# Altium PCB 滑板车模块 - 拼板.PcbDoc (part 2 of 8) (continued)
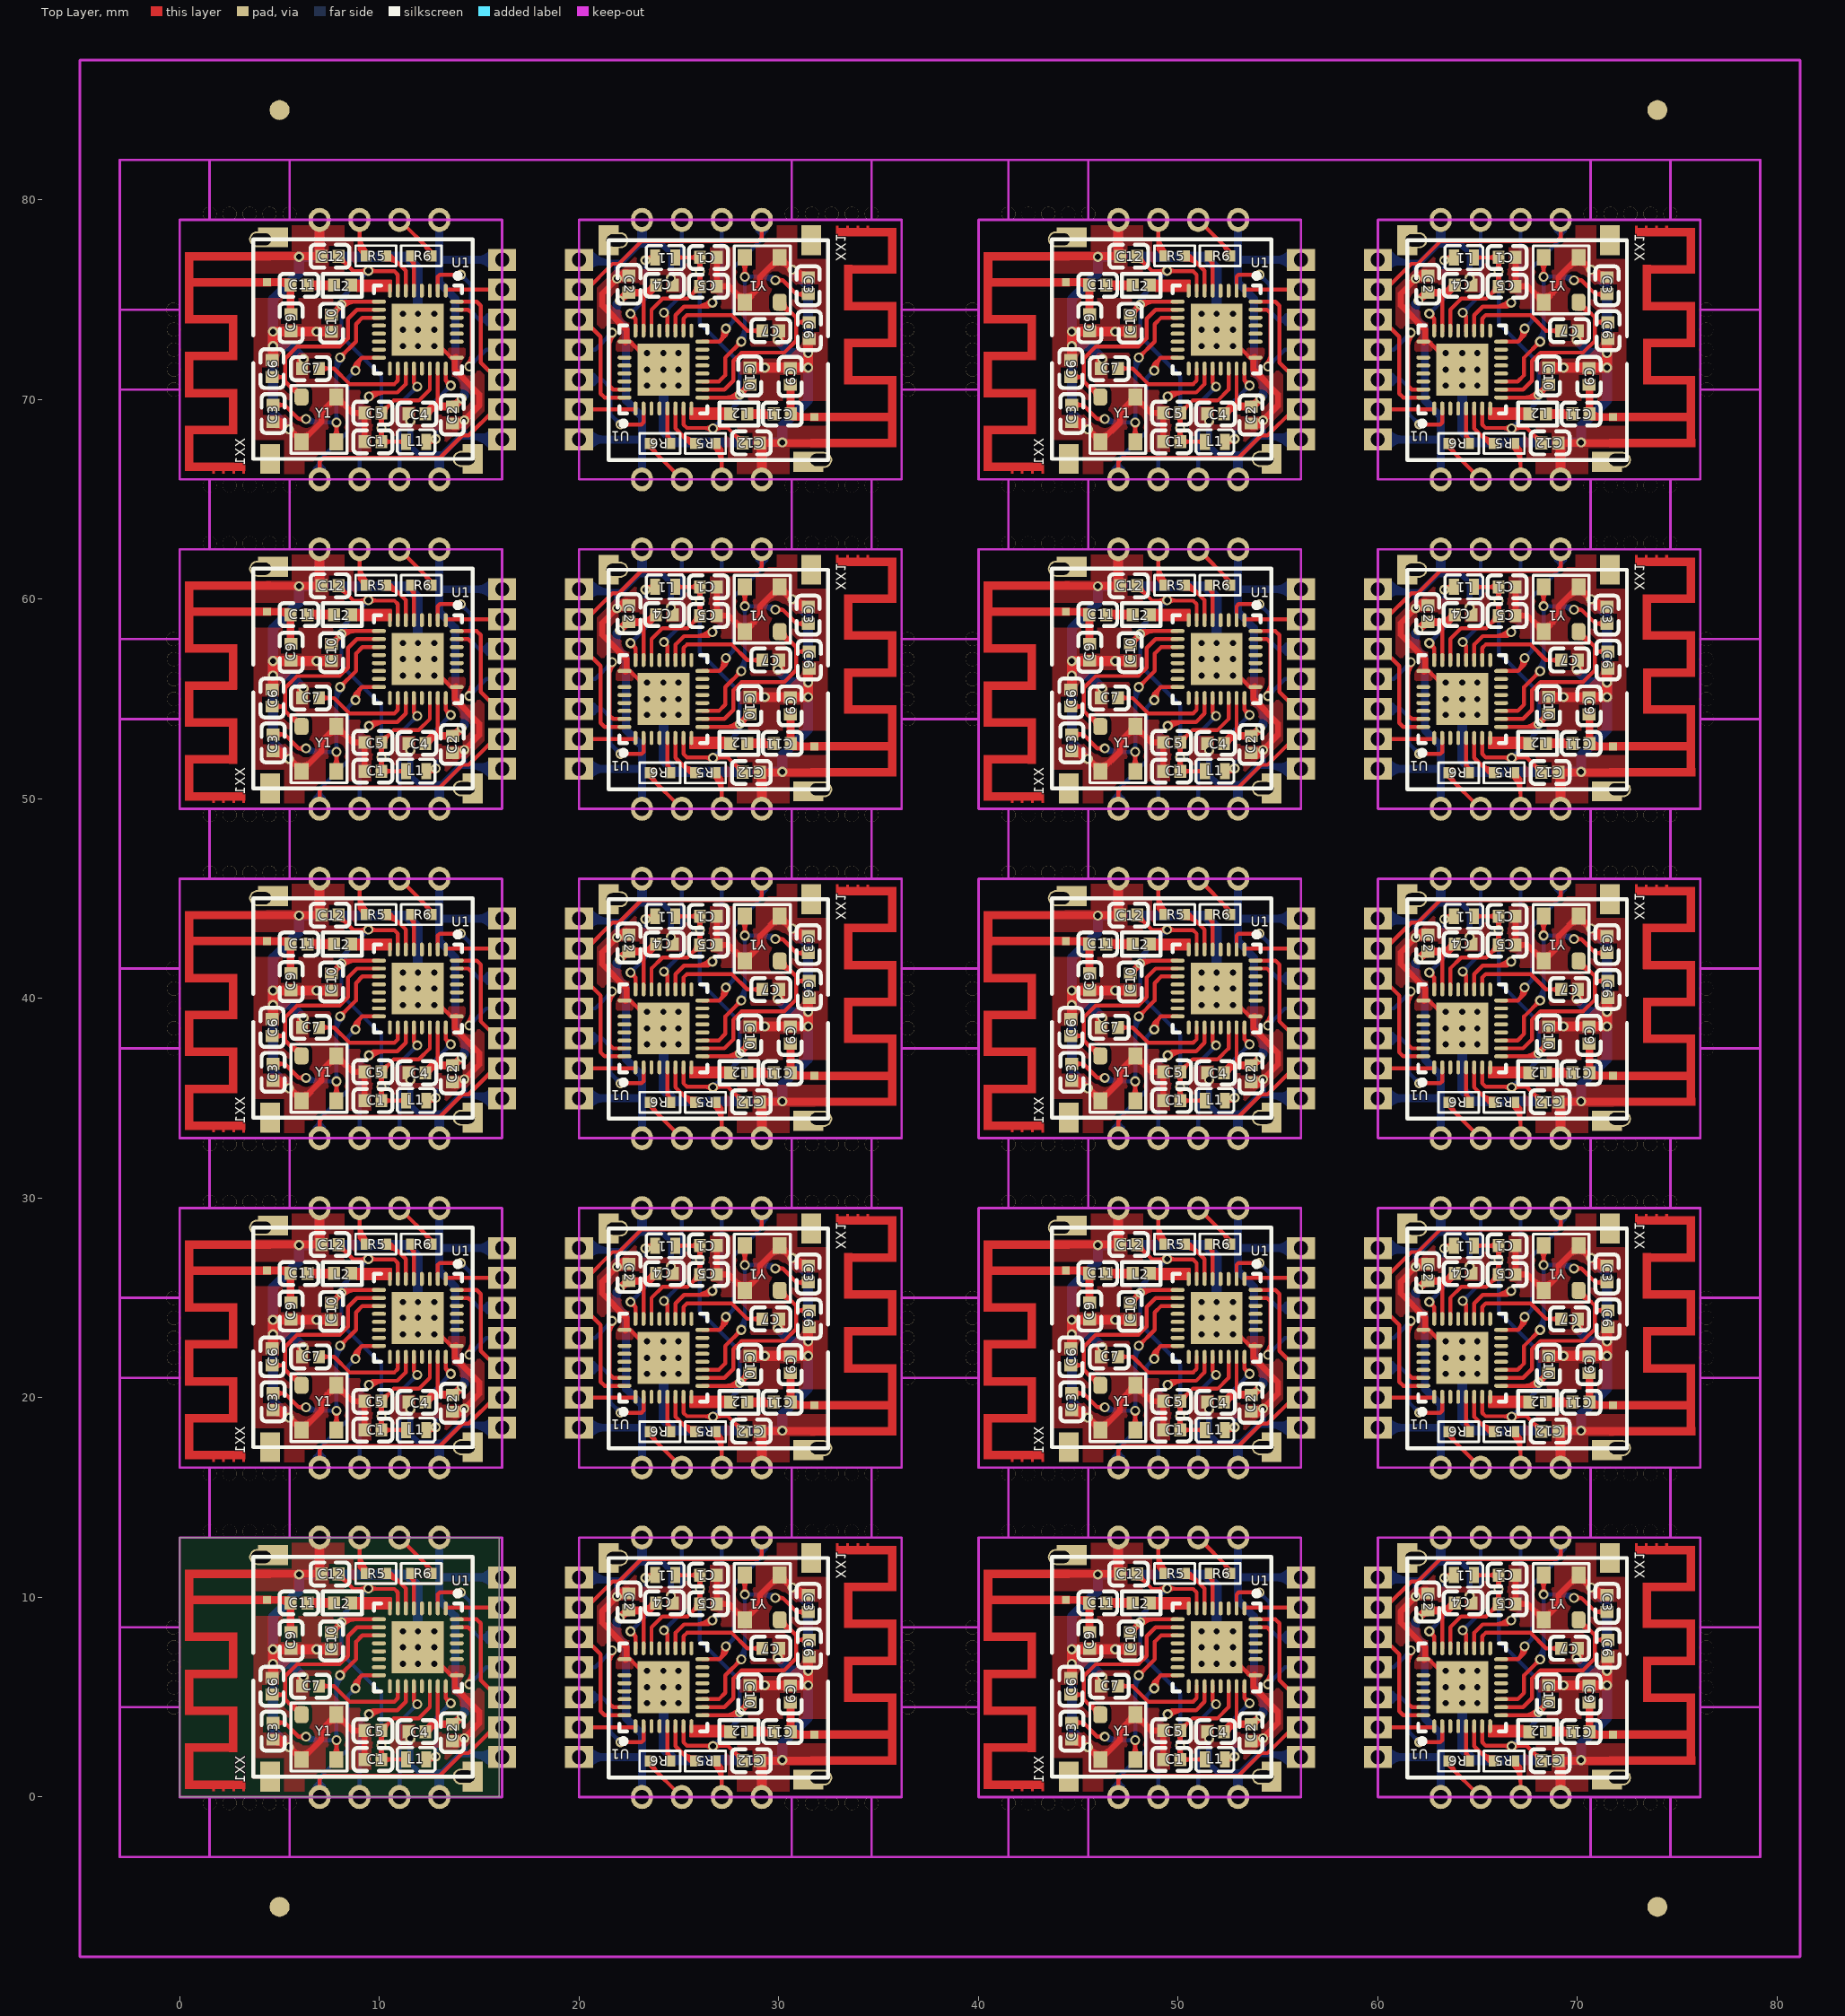
[diagram p0: Top Layer view]
## Nets (pads, with @x,y where several pads share a name; then routed paths per layer and width w, separated by ;. In a path a pad name is that pad's centre, name@x,y a point inside that pad or via, vN(x,y) a via of type N, cw(c..) or ccw(c..) an arc to the next point about the centre after c; other vN are vias at no path point) (continued)
cw(c45.598,34.95) Y1.2@45.9,34.95 ; Y1.2@45.812,51.663 cw(c45.598,51.45) Y1.2@45.9,51.45 ; Y1.2@45.812,68.163 cw(c45.598,67.95) Y1.2@45.9,67.95 ; Y1.2@46.3,1.95 cw(c46.602,1.95) Y1.2@46.388,2.163 ; Y1.2@46.3,18.45 cw(c46.602,18.45) Y1.2@46.388,18.663 ; Y1.2@46.3,34.95 cw(c46.602,34.95) Y1.2@46.388,35.163 ; Y1.2@46.3,51.45 cw(c46.602,51.45) Y1.2@46.388,51.663 ; Y1.2@46.3,67.95 cw(c46.602,67.95) Y1.2@46.388,68.163 ; 47.381,3.656 cw(c47.85,3.186) 47.85,3.85 cw(c47.85,3.186) 48.319,3.656 ; 47.381,20.156 cw(c47.85,19.686) 47.85,20.35 cw(c47.85,19.686) 48.319,20.156 ; 47.381,36.656 cw(c47.85,36.186) 47.85,36.85 cw(c47.85,36.186) 48.319,36.656 ; 47.381,53.156 cw(c47.85,52.686) 47.85,53.35 cw(c47.85,52.686) 48.319,53.156 ; 47.381,69.656 cw(c47.85,69.186) 47.85,69.85 cw(c47.85,69.186) 48.319,69.656 ; Y1.4@47.562,3.837 ccw(c47.348,4.05) Y1.4@47.65,4.05 ; Y1.4@47.562,20.337 ccw(c47.348,20.55) Y1.4@47.65,20.55 ; Y1.4@47.562,36.837 ccw(c47.348,37.05) Y1.4@47.65,37.05 ; Y1.4@47.562,53.337 ccw(c47.348,53.55) Y1.4@47.65,53.55 ; Y1.4@47.562,69.837 ccw(c47.348,70.05) Y1.4@47.65,70.05 ; Y1.4@48.05,4.05 ccw(c48.352,4.05) Y1.4@48.138,3.837 ; Y1.4@48.05,20.55 ccw(c48.352,20.55) Y1.4@48.138,20.337 ; Y1.4@48.05,37.05 ccw(c48.352,37.05) Y1.4@48.138,36.837 ; Y1.4@48.05,53.55 ccw(c48.352,53.55) Y1.4@48.138,53.337 ; Y1.4@48.05,70.05 ccw(c48.352,70.05) Y1.4@48.138,69.837 ; C1.1@49.144,2.016 ccw(c48.888,2.272) 49.25,2.272 ccw(c49.612,2.272) C1.1@49.356,2.016 ; C5.1@49.144,3.194 cw(c48.888,2.938) 49.25,2.938 cw(c49.612,2.938) C5.1@49.356,3.194 ; C5.1@49.144,3.219 ccw(c48.888,2.963) 48.888,3.325 ccw(c48.888,3.687) C5.1@49.144,3.431 ; C1.1@49.144,18.516 ccw(c48.888,18.772) 49.25,18.772 ccw(c49.612,18.772) C1.1@49.356,18.516 ; C5.1@49.144,19.694 cw(c48.888,19.438) 49.25,19.438 cw(c49.612,19.438) C5.1@49.356,19.694 ; C5.1@49.144,19.719 ccw(c48.888,19.463) 48.888,19.825 ccw(c48.888,20.187) C5.1@49.144,19.931 ; C1.1@49.144,35.016 ccw(c48.888,35.272) 49.25,35.272 ccw(c49.612,35.272) C1.1@49.356,35.016 ; C5.1@49.144,36.194 cw(c48.888,35.938) 49.25,35.938 cw(c49.612,35.938) C5.1@49.356,36.194 ; C5.1@49.144,36.219 ccw(c48.888,35.963) 48.888,36.325 ccw(c48.888,36.687) C5.1@49.144,36.431 ; C1.1@49.144,51.516 ccw(c48.888,51.772) 49.25,51.772 ccw(c49.612,51.772) C1.1@49.356,51.516 ; C5.1@49.144,52.694 cw(c48.888,52.438) 49.25,52.438 cw(c49.612,52.438) C5.1@49.356,52.694 ; C5.1@49.144,52.719 ccw(c48.888,52.463) 48.888,52.825 ccw(c48.888,53.187) C5.1@49.144,52.931 ; C1.1@49.144,68.016 ccw(c48.888,68.272) 49.25,68.272 ccw(c49.612,68.272) C1.1@49.356,68.016 ; C5.1@49.144,69.194 cw(c48.888,68.938) 49.25,68.938 cw(c49.612,68.938) C5.1@49.356,69.194 ; C5.1@49.144,69.219 ccw(c48.888,68.963) 48.888,69.325 ccw(c48.888,69.687) C5.1@49.144,69.431 ; v1@52.075,7.35 v1(52.75,6.675) ; v1@52.075,23.85 v1(52.75,23.175) ; v1@52.075,40.35 v1(52.75,39.675) ; v1@52.075,56.85 v1(52.75,56.175) ; v1@52.075,73.35 v1(52.75,72.675) ; C2.2@53.583,2.681 ccw(c53.781,2.937) 54.009,2.709 ; C2.2@53.583,19.181 ccw(c53.781,19.437) 54.009,19.209 ; C2.2@53.583,35.681 ccw(c53.781,35.937) 54.009,35.709 ; C2.2@53.583,52.181 ccw(c53.781,52.437) 54.009,52.209 ; C2.2@53.583,68.681 ccw(c53.781,68.937) 54.009,68.709 ; C2.2@53.767,2.919 ccw(c53.991,3.21) v1(54.251,2.95) ; C2.2@53.767,19.419 ccw(c53.991,19.71) v1(54.251,19.45) ; C2.2@53.767,35.919 ccw(c53.991,36.21) v1(54.251,35.95) ; C2.2@53.767,52.419 ccw(c53.991,52.71) v1(54.251,52.45) ; C2.2@53.767,68.919 ccw(c53.991,69.21) v1(54.251,68.95) ; 53.775,5.979 cw(c53.996,5.979) U1.25@53.84,6.135 ; U1.25@53.775,6.1 53.775,5.5 55,4.275 55,3.699 v1(54.251,2.95) ; 53.775,22.479 cw(c53.996,22.479) U1.25@53.84,22.635 ; U1.25@53.775,22.6 53.775,22 55,20.775 55,20.199 v1(54.251,19.45) ; 53.775,38.979 cw(c53.996,38.979) U1.25@53.84,39.135 ; U1.25@53.775,39.1 53.775,38.5 55,37.275 55,36.699 v1(54.251,35.95) ; 53.775,55.479 cw(c53.996,55.479) U1.25@53.84,55.635 ; U1.25@53.775,55.6 53.775,55 55,53.775 55,53.199 v1(54.251,52.45) ; 53.775,71.979 cw(c53.996,71.979) U1.25@53.84,72.135 ; U1.25@53.775,72.1 53.775,71.5 55,70.275 55,69.699 v1(54.251,68.95) 54.101,68.8 C2.2@53.65,68.8 ccw(c53.65,69.546) v1@54.18,69.021 ; C2.2@53.781,2.694 cw(c54.037,2.438) 54.037,2.8 cw(c54.037,3.162) C2.2@53.781,2.906 ; C2.2@53.781,19.194 cw(c54.037,18.938) 54.037,19.3 cw(c54.037,19.662) C2.2@53.781,19.406 ; C2.2@53.781,35.694 cw(c54.037,35.438) 54.037,35.8 cw(c54.037,36.162) C2.2@53.781,35.906 ; C2.2@53.781,52.194 cw(c54.037,51.938) 54.037,52.3 cw(c54.037,52.662) C2.2@53.781,52.406 ; C2.2@53.781,68.694 cw(c54.037,68.438) 54.037,68.8 cw(c54.037,69.162) C2.2@53.781,68.906 ; C2.2@53.831,2.745 ccw(c53.69,3.274) v1@54.164,3 ; C2.2@53.831,19.245 ccw(c53.69,19.774) v1@54.164,19.5 ; C2.2@53.831,35.745 ccw(c53.69,36.274) v1@54.164,36 ; C2.2@53.831,52.245 ccw(c53.69,52.774) v1@54.164,52.5 ; C2.2@53.831,68.745 ccw(c53.69,69.274) v1@54.164,69 ; C2.2@53.887,2.76 ccw(c53.779,3.163) v1@54.16,2.991 ; C2.2@53.887,19.26 ccw(c53.779,19.663) v1@54.16,19.491 ; C2.2@53.887,35.76 ccw(c53.779,36.163) v1@54.16,35.991 ; C2.2@53.887,52.26 ccw(c53.779,52.663) v1@54.16,52.491 ; C2.2@53.887,68.76 ccw(c53.779,69.163) v1@54.16,68.991 ; C2.2@53.901,2.646 ccw(c53.629,3.117) v1@54.154,2.976 ; C2.2@53.901,19.146 ccw(c53.629,19.617) v1@54.154,19.476 ; C2.2@53.901,35.646 ccw(c53.629,36.117) v1@54.154,35.976 ; C2.2@53.901,52.146 ccw(c53.629,52.617) v1@54.154,52.476 ; C2.2@53.901,68.646 ccw(c53.629,69.117) v1@54.154,68.976 ; C2.2@53.965,2.683 ccw(c53.775,3.012) v1@54.152,2.963 ; C2.2@53.965,19.183 ccw(c53.775,19.512) v1@54.152,19.463 ; C2.2@53.965,35.683 ccw(c53.775,36.012) v1@54.152,35.963 ; C2.2@53.965,52.183 ccw(c53.775,52.512) v1@54.152,52.463 ; C2.2@53.965,68.683 ccw(c53.775,69.012) v1@54.152,68.963 ; v1@54.18,3.021 cw(c53.65,3.546) C2.2@53.65,2.8 54.101,2.8 v1(54.251,2.95) ; v1@54.18,19.521 cw(c53.65,20.046) C2.2@53.65,19.3 54.101,19.3 v1(54.251,19.45) ; v1@54.18,36.021 cw(c53.65,36.546) C2.2@53.65,35.8 54.101,35.8 v1(54.251,35.95) ; v1@54.18,52.521 cw(c53.65,53.046) C2.2@53.65,52.3 54.101,52.3 v1(54.251,52.45) ; v1@61.97,9.979 cw(c62.5,9.454) C2.2@62.5,10.2 62.049,10.2 v1(61.899,10.05) ; v1@61.97,26.479 cw(c62.5,25.954) C2.2@62.5,26.7 62.049,26.7 v1(61.899,26.55) ; v1@61.97,42.979 cw(c62.5,42.454) C2.2@62.5,43.2 62.049,43.2 v1(61.899,43.05) ; v1@61.97,59.479 cw(c62.5,58.954) C2.2@62.5,59.7 62.049,59.7 v1(61.899,59.55) ; v1@61.97,75.979 cw(c62.5,75.454) C2.2@62.5,76.2 62.049,76.2 v1(61.899,76.05) ; v1@61.986,10 cw(c62.46,9.726) C2.2@62.319,10.255 ; v1@61.986,26.5 cw(c62.46,26.226) C2.2@62.319,26.755 ; v1@61.986,43 cw(c62.46,42.726) C2.2@62.319,43.255 ; v1@61.986,59.5 cw(c62.46,59.226) C2.2@62.319,59.755 ; v1@61.986,76 cw(c62.46,75.726) C2.2@62.319,76.255 ; v1@61.99,10.009 cw(c62.371,9.837) C2.2@62.263,10.24 ; v1@61.99,26.509 cw(c62.371,26.337) C2.2@62.263,26.74 ; v1@61.99,43.009 cw(c62.371,42.837) C2.2@62.263,43.24 ; v1@61.99,59.509 cw(c62.371,59.337) C2.2@62.263,59.74 ; v1@61.99,76.009 cw(c62.371,75.837) C2.2@62.263,76.24 ; v1@61.996,10.024 cw(c62.521,9.883) C2.2@62.249,10.354 ; v1@61.996,26.524 cw(c62.521,26.383) C2.2@62.249,26.854 ; v1@61.996,43.024 cw(c62.521,42.883) C2.2@62.249,43.354 ; v1@61.996,59.524 cw(c62.521,59.383) C2.2@62.249,59.854 ; v1@61.996,76.024 cw(c62.521,75.883) C2.2@62.249,76.354 ; v1@61.998,10.037 cw(c62.375,9.988) C2.2@62.185,10.317 ; v1@61.998,26.537 cw(c62.375,26.488) C2.2@62.185,26.817 ; v1@61.998,43.037 cw(c62.375,42.988) C2.2@62.185,43.317 ; v1@61.998,59.537 cw(c62.375,59.488) C2.2@62.185,59.817 ; v1@61.998,76.037 cw(c62.375,75.988) C2.2@62.185,76.317 ; 62.141,10.291 cw(c62.369,10.063) C2.2@62.567,10.319 ; 62.141,26.791 cw(c62.369,26.563) C2.2@62.567,26.819 ; 62.141,43.291 cw(c62.369,43.063) C2.2@62.567,43.319 ; 62.141,59.791 cw(c62.369,59.563) C2.2@62.567,59.819 ; 62.141,76.291 cw(c62.369,76.063) C2.2@62.567,76.319 ; U1.25@62.31,6.865 ccw(c62.154,7.021) 62.375,7.021 ; U1.25@62.31,23.365 ccw(c62.154,23.521) 62.375,23.521 ; U1.25@62.31,39.865 ccw(c62.154,40.021) 62.375,40.021 ; U1.25@62.31,56.365 ccw(c62.154,56.521) 62.375,56.521 ; U1.25@62.31,72.865 ccw(c62.154,73.021) 62.375,73.021 ; C2.2@62.369,10.094 ccw(c62.113,9.838) 62.113,10.2 ccw(c62.113,10.562) C2.2@62.369,10.306 ; C2.2@62.369,26.594 ccw(c62.113,26.338) 62.113,26.7 ccw(c62.113,27.062) C2.2@62.369,26.806 ; C2.2@62.369,43.094 ccw(c62.113,42.838) 62.113,43.2 ccw(c62.113,43.562) C2.2@62.369,43.306 ; C2.2@62.369,59.594 ccw(c62.113,59.338) 62.113,59.7 ccw(c62.113,60.062) C2.2@62.369,59.806 ; C2.2@62.369,76.094 ccw(c62.113,75.838) 62.113,76.2 ccw(c62.113,76.562) C2.2@62.369,76.306 ; U1.25@62.375,6.9 62.375,7.5 61.15,8.725 61.15,9.301 v1(61.899,10.05) ; U1.25@62.375,23.4 62.375,24 61.15,25.225 61.15,25.801 v1(61.899,26.55) ; U1.25@62.375,39.9 62.375,40.5 61.15,41.725 61.15,42.301 v1(61.899,43.05) ; U1.25@62.375,56.4 62.375,57 61.15,58.225 61.15,58.801 v1(61.899,59.55) ; U1.25@62.375,72.9 62.375,73.5 61.15,74.725 61.15,75.301 v1(61.899,76.05) ; C2.2@62.383,10.081 ccw(c62.159,9.79) v1(61.899,10.05) ; C2.2@62.383,26.581 ccw(c62.159,26.29) v1(61.899,26.55) ; C2.2@62.383,43.081 ccw(c62.159,42.79) v1(61.899,43.05) ; C2.2@62.383,59.581 ccw(c62.159,59.29) v1(61.899,59.55) ; C2.2@62.383,76.081 ccw(c62.159,75.79) v1(61.899,76.05) ; v1(63.4,6.325) v1@64.075,5.65 ; v1(63.4,22.825) v1@64.075,22.15 ; v1(63.4,39.325) v1@64.075,38.65 ; v1(63.4,55.825) v1@64.075,55.15 ; v1(63.4,72.325) v1@64.075,71.65 ; C5.1@66.794,9.806 ccw(c66.538,10.062) 66.9,10.062 ccw(c67.262,10.062) C5.1@67.006,9.806 ; C1.1@66.794,10.984 cw(c66.538,10.728) 66.9,10.728 cw(c67.262,10.728) C1.1@67.006,10.984 ; C5.1@66.794,26.306 ccw(c66.538,26.562) 66.9,26.562 ccw(c67.262,26.562) C5.1@67.006,26.306 ; C1.1@66.794,27.484 cw(c66.538,27.228) 66.9,27.228 cw(c67.262,27.228) C1.1@67.006,27.484 ; C5.1@66.794,42.806 ccw(c66.538,43.062) 66.9,43.062 ccw(c67.262,43.062) C5.1@67.006,42.806 ; C1.1@66.794,43.984 cw(c66.538,43.728) 66.9,43.728 cw(c67.262,43.728) C1.1@67.006,43.984 ; C5.1@66.794,59.306 ccw(c66.538,59.562) 66.9,59.562 ccw(c67.262,59.562) C5.1@67.006,59.306 ; C1.1@66.794,60.484 cw(c66.538,60.228) 66.9,60.228 cw(c67.262,60.228) C1.1@67.006,60.484 ; C5.1@66.794,75.806 ccw(c66.538,76.062) 66.9,76.062 ccw(c67.262,76.062) C5.1@67.006,75.806 ; C1.1@66.794,76.984 cw(c66.538,76.728) 66.9,76.728 cw(c67.262,76.728) C1.1@67.006,76.984 ; C1.1@66.9,11.115 C5.1@66.9,9.675 67.5,9.675 Y1.4@68.3,8.875 69.05,9.625 69.05,10.125 Y1.2@70.05,11.125 71.05,10.125 C3.2@71.475,10.125 ; C1.1@66.9,27.615 C5.1@66.9,26.175 67.5,26.175 Y1.4@68.3,25.375 69.05,26.125 69.05,26.625 Y1.2@70.05,27.625 71.05,26.625 C3.2@71.475,26.625 ; C1.1@66.9,44.115 C5.1@66.9,42.675 67.5,42.675 Y1.4@68.3,41.875 69.05,42.625 69.05,43.125 Y1.2@70.05,44.125 71.05,43.125 C3.2@71.475,43.125 ; C1.1@66.9,60.615 C5.1@66.9,59.175 67.5,59.175 Y1.4@68.3,58.375 69.05,59.125 69.05,59.625 Y1.2@70.05,60.625 71.05,59.625 C3.2@71.475,59.625 ; C1.1@66.9,77.115 C5.1@66.9,75.675 67.5,75.675 Y1.4@68.3,74.875 69.05,75.625 69.05,76.125 Y1.2@70.05,77.125 71.05,76.125 C3.2@71.475,76.125 ; C5.1@67.006,9.569 cw(c67.262,9.313) 67.262,9.675 cw(c67.262,10.037) C5.1@67.006,9.781 ; C5.1@67.006,26.069 cw(c67.262,25.813) 67.262,26.175 cw(c67.262,26.537) C5.1@67.006,26.281 ; C5.1@67.006,42.569 cw(c67.262,42.313) 67.262,42.675 cw(c67.262,43.037) C5.1@67.006,42.781 ; C5.1@67.006,59.069 cw(c67.262,58.813) 67.262,59.175 cw(c67.262,59.537) C5.1@67.006,59.281 ; C5.1@67.006,75.569 cw(c67.262,75.313) 67.262,75.675 cw(c67.262,76.037) C5.1@67.006,75.781 ; 67.831,9.344 ccw(c68.3,9.814) 68.3,9.15 ccw(c68.3,9.814) 68.769,9.344 ; 67.831,25.844 ccw(c68.3,26.314) 68.3,25.65 ccw(c68.3,26.314) 68.769,25.844 ; 67.831,42.344 ccw(c68.3,42.814) 68.3,42.15 ccw(c68.3,42.814) 68.769,42.344 ; 67.831,58.844 ccw(c68.3,59.314) 68.3,58.65 ccw(c68.3,59.314) 68.769,58.844 ; 67.831,75.344 ccw(c68.3,75.814) 68.3,75.15 ccw(c68.3,75.814) 68.769,75.344 ; Y1.4@68.012,9.163 cw(c67.798,8.95) Y1.4@68.1,8.95 ; Y1.4@68.012,25.663 cw(c67.798,25.45) Y1.4@68.1,25.45 ; Y1.4@68.012,42.163 cw(c67.798,41.95) Y1.4@68.1,41.95 ; Y1.4@68.012,58.663 cw(c67.798,58.45) Y1.4@68.1,58.45 ; Y1.4@68.012,75.163 cw(c67.798,74.95) Y1.4@68.1,74.95 ; Y1.4@68.5,8.95 cw(c68.802,8.95) Y1.4@68.588,9.163 ; Y1.4@68.5,25.45 cw(c68.802,25.45) Y1.4@68.588,25.663 ; Y1.4@68.5,41.95 cw(c68.802,41.95) Y1.4@68.588,42.163 ; Y1.4@68.5,58.45 cw(c68.802,58.45) Y1.4@68.588,58.663 ; Y1.4@68.5,74.95 cw(c68.802,74.95) Y1.4@68.588,75.163 ; 69.581,10.656 cw(c70.05,10.186) 70.05,10.85 cw(c70.05,10.186) v1@70.519,10.656 ; 69.581,27.156 cw(c70.05,26.686) 70.05,27.35 cw(c70.05,26.686) v1@70.519,27.156 ; 69.581,43.656 cw(c70.05,43.186) 70.05,43.85 cw(c70.05,43.186) v1@70.519,43.656 ; 69.581,60.156 cw(c70.05,59.686) 70.05,60.35 cw(c70.05,59.686) v1@70.519,60.156 ; 69.581,76.656 cw(c70.05,76.186) 70.05,76.85 cw(c70.05,76.186) v1@70.519,76.656 ; Y1.2@69.762,10.837 ccw(c69.548,11.05) Y1.2@69.85,11.05 ; Y1.2@69.762,27.337 ccw(c69.548,27.55) Y1.2@69.85,27.55 ; Y1.2@69.762,43.837 ccw(c69.548,44.05) Y1.2@69.85,44.05 ; Y1.2@69.762,60.337 ccw(c69.548,60.55) Y1.2@69.85,60.55 ; Y1.2@69.762,76.837 ccw(c69.548,77.05) Y1.2@69.85,77.05 ; Y1.2@70.25,11.05 ccw(c70.552,11.05) Y1.2@70.338,10.837 ; Y1.2@70.25,27.55 ccw(c70.552,27.55) Y1.2@70.338,27.337 ; Y1.2@70.25,44.05 ccw(c70.552,44.05) Y1.2@70.338,43.837 ; Y1.2@70.25,60.55 ccw(c70.552,60.55) Y1.2@70.338,60.337 ; Y1.2@70.25,77.05 ccw(c70.552,77.05) Y1.2@70.338,76.837 ; Y1.2@70.375,10.739 cw(c70.157,10.361) v1@70.578,10.474 ; Y1.2@70.375,27.239 cw(c70.157,26.861) v1@70.578,26.974 ; Y1.2@70.375,43.739 cw(c70.157,43.361) v1@70.578,43.474 ; Y1.2@70.375,60.239 cw(c70.157,59.861) v1@70.578,59.974 ; Y1.2@70.375,76.739 cw(c70.157,76.361) v1@70.578,76.474 ; v1@70.511,10.664 ccw(c71.45,11.603) C3.2@71.45,10.275 ; v1@70.511,27.164 ccw(c71.45,28.103) C3.2@71.45,26.775 ; v1@70.511,43.664 ccw(c71.45,44.603) C3.2@71.45,43.275 ; v1@70.511,60.164 ccw(c71.45,61.103) C3.2@71.45,59.775 ; v1@70.511,76.664 ccw(c71.45,77.603) C3.2@71.45,76.275 ; v1@70.701,10.403 cw(c70.816,9.972) 71.04,10.359 ; v1@70.701,26.903 cw(c70.816,26.472) 71.04,26.859 ; v1@70.701,43.403 cw(c70.816,42.972) 71.04,43.359 ; v1@70.701,59.903 cw(c70.816,59.472) 71.04,59.859 ; v1@70.701,76.403 cw(c70.816,75.972) 71.04,76.359 ; 71.023,10.152 ccw(c71.45,10.579) C3.2@71.45,9.975 ; 71.023,26.652 ccw(c71.45,27.079) C3.2@71.45,26.475 ; 71.023,43.152 ccw(c71.45,43.579) C3.2@71.45,42.975 ; 71.023,59.652 ccw(c71.45,60.079) C3.2@71.45,59.475 ; 71.023,76.152 ccw(c71.45,76.579) C3.2@71.45,75.975 ; C3.2@71.344,10.019 ccw(c71.088,9.763) 71.088,10.125 ccw(c71.088,10.487) C3.2@71.344,10.231 ; C3.2@71.344,26.519 ccw(c71.088,26.263) 71.088,26.625 ccw(c71.088,26.987) C3.2@71.344,26.731 ; C3.2@71.344,43.019 ccw(c71.088,42.763) 71.088,43.125 ccw(c71.088,43.487) C3.2@71.344,43.231 ; C3.2@71.344,59.519 ccw(c71.088,59.263) 71.088,59.625 ccw(c71.088,59.987) C3.2@71.344,59.731 ; C3.2@71.344,76.019 ccw(c71.088,75.763) 71.088,76.125 ccw(c71.088,76.487) C3.2@71.344,76.231
  Top Layer w0.4: XX1.2@4.375,11.175 C12.2@7.1,11.175 ; XX1.2@4.375,27.675 C12.2@7.1,27.675 ; XX1.2@4.375,44.175 C12.2@7.1,44.175 ; XX1.2@4.375,60.675 C12.2@7.1,60.675 ; XX1.2@4.375,77.175 C12.2@7.1,77.175 ; C12.2@29.05,1.825 XX1.2@31.775,1.825 ; C12.2@29.05,18.325 XX1.2@31.775,18.325 ; C12.2@29.05,34.825 XX1.2@31.775,34.825 ; C12.2@29.05,51.325 XX1.2@31.775,51.325 ; C12.2@29.05,67.825 XX1.2@31.775,67.825 ; XX1.2@44.375,11.175 C12.2@47.1,11.175 ; XX1.2@44.375,27.675 C12.2@47.1,27.675 ; XX1.2@44.375,44.175 C12.2@47.1,44.175 ; XX1.2@44.375,60.675 C12.2@47.1,60.675 ; XX1.2@44.375,77.175 C12.2@47.1,77.175 ; C12.2@69.05,1.825 XX1.2@71.775,1.825 ; C12.2@69.05,18.325 XX1.2@71.775,18.325 ; C12.2@69.05,34.825 XX1.2@71.775,34.825 ; C12.2@69.05,51.325 XX1.2@71.775,51.325 ; C12.2@69.05,67.825 XX1.2@71.775,67.825
  Top Layer w0.5: C6.2@4.625,5.975 4.675,6.025 v1(4.675,6.675) v1(4.675,7.4) 6.15,7.4 C10.2@7.6,7.4 ; C6.2@4.625,22.475 4.675,22.525 v1(4.675,23.175) v1(4.675,23.9) 6.15,23.9 C10.2@7.6,23.9 ; C6.2@4.625,38.975 4.675,39.025 v1(4.675,39.675) v1(4.675,40.4) 6.15,40.4 C10.2@7.6,40.4 ; C6.2@4.625,55.475 4.675,55.525 v1(4.675,56.175) v1(4.675,56.9) 6.15,56.9 C10.2@7.6,56.9 ; C6.2@4.625,71.975 4.675,72.025 v1(4.675,72.675) v1(4.675,73.4) 6.15,73.4 C10.2@7.6,73.4 ; C7.1@6.125,5.55 6.125,5.95 v1(6.2,6.025) ccw(c6.431,5.794) C7.1@6.166,5.604 ; C7.1@6.125,22.05 6.125,22.45 v1(6.2,22.525) ccw(c6.431,22.294) C7.1@6.166,22.104 ; C7.1@6.125,38.55 6.125,38.95 v1(6.2,39.025) ccw(c6.431,38.794) C7.1@6.166,38.604 ; C7.1@6.125,55.05 6.125,55.45 v1(6.2,55.525) ccw(c6.431,55.294) C7.1@6.166,55.104 ; C7.1@6.125,71.55 6.125,71.95 v1(6.2,72.025) ccw(c6.431,71.794) C7.1@6.166,71.604 ; 7,11.562 ccw(c7.462,11.562) C12.2@7.135,11.235 ; P1.4@7,13 7,11.275 C12.2@7.1,11.175 ; 7,28.062 ccw(c7.462,28.062) C12.2@7.135,27.735 ; P1.4@7,29.5 7,27.775 C12.2@7.1,27.675 ; 7,44.562 ccw(c7.462,44.562) C12.2@7.135,44.235 ; P1.4@7,46 7,44.275 C12.2@7.1,44.175 ; 7,61.062 ccw(c7.462,61.062) C12.2@7.135,60.735 ; P1.4@7,62.5 7,60.775 C12.2@7.1,60.675 ; 7,77.562 ccw(c7.462,77.562) C12.2@7.135,77.235 ; P1.4@7,79 7,77.275 C12.2@7.1,77.175 ; C10.2@28.55,5.6 30,5.6 v1(31.475,5.6) v1(31.475,6.325) 31.475,6.975 C6.2@31.525,7.025 ; C10.2@28.55,22.1 30,22.1 v1(31.475,22.1) v1(31.475,22.825) 31.475,23.475 C6.2@31.525,23.525 ; C10.2@28.55,38.6 30,38.6 v1(31.475,38.6) v1(31.475,39.325) 31.475,39.975 C6.2@31.525,40.025 ; C10.2@28.55,55.1 30,55.1 v1(31.475,55.1) v1(31.475,55.825) 31.475,56.475 C6.2@31.525,56.525 ; C10.2@28.55,71.6 30,71.6 v1(31.475,71.6) v1(31.475,72.325) 31.475,72.975 C6.2@31.525,73.025 ; C12.2@29.015,1.765 cw(c28.688,1.438) 29.15,1.438 ; C12.2@29.015,18.265 cw(c28.688,17.938) 29.15,17.938 ; C12.2@29.015,34.765 cw(c28.688,34.438) 29.15,34.438 ; C12.2@29.015,51.265 cw(c28.688,50.938) 29.15,50.938 ; C12.2@29.015,67.765 cw(c28.688,67.438) 29.15,67.438 ; C12.2@29.05,1.825 29.15,1.725 P1.4@29.15,0 ; C12.2@29.05,18.325 29.15,18.225 P1.4@29.15,16.5 ; C12.2@29.05,34.825 29.15,34.725 P1.4@29.15,33 ; C12.2@29.05,51.325 29.15,51.225 P1.4@29.15,49.5 ; C12.2@29.05,67.825 29.15,67.725 P1.4@29.15,66 ; C7.1@29.984,7.396 cw(c29.719,7.206) v1(29.95,6.975) 30.025,7.05 C7.1@30.025,7.45 ; C7.1@29.984,23.896 cw(c29.719,23.706) v1(29.95,23.475) 30.025,23.55 C7.1@30.025,23.95 ; C7.1@29.984,40.396 cw(c29.719,40.206) v1(29.95,39.975) 30.025,40.05 C7.1@30.025,40.45 ; C7.1@29.984,56.896 cw(c29.719,56.706) v1(29.95,56.475) 30.025,56.55 C7.1@30.025,56.95 ; C7.1@29.984,73.396 cw(c29.719,73.206) v1(29.95,72.975) 30.025,73.05 C7.1@30.025,73.45 ; C6.2@44.625,5.975 44.675,6.025 v1(44.675,6.675) v1(44.675,7.4) 46.15,7.4 C10.2@47.6,7.4 ; C6.2@44.625,22.475 44.675,22.525 v1(44.675,23.175) v1(44.675,23.9) 46.15,23.9 C10.2@47.6,23.9 ; C6.2@44.625,38.975 44.675,39.025 v1(44.675,39.675) v1(44.675,40.4) 46.15,40.4 C10.2@47.6,40.4 ; C6.2@44.625,55.475 44.675,55.525 v1(44.675,56.175) v1(44.675,56.9) 46.15,56.9 C10.2@47.6,56.9 ; C6.2@44.625,71.975 44.675,72.025 v1(44.675,72.675) v1(44.675,73.4) 46.15,73.4 C10.2@47.6,73.4 ; C7.1@46.125,5.55 46.125,5.95 v1(46.2,6.025) ccw(c46.431,5.794) C7.1@46.166,5.604 ; C7.1@46.125,22.05 46.125,22.45 v1(46.2,22.525) ccw(c46.431,22.294) C7.1@46.166,22.104 ; C7.1@46.125,38.55 46.125,38.95 v1(46.2,39.025) ccw(c46.431,38.794) C7.1@46.166,38.604 ; C7.1@46.125,55.05 46.125,55.45 v1(46.2,55.525) ccw(c46.431,55.294) C7.1@46.166,55.104 ; C7.1@46.125,71.55 46.125,71.95 v1(46.2,72.025) ccw(c46.431,71.794) C7.1@46.166,71.604 ; 47,11.562 ccw(c47.462,11.562) C12.2@47.135,11.235 ; P1.4@47,13 47,11.275 C12.2@47.1,11.175 ; 47,28.062 ccw(c47.462,28.062) C12.2@47.135,27.735 ; P1.4@47,29.5 47,27.775 C12.2@47.1,27.675 ; 47,44.562 ccw(c47.462,44.562) C12.2@47.135,44.235 ; P1.4@47,46 47,44.275 C12.2@47.1,44.175 ; 47,61.062 ccw(c47.462,61.062) C12.2@47.135,60.735 ; P1.4@47,62.5 47,60.775 C12.2@47.1,60.675 ; 47,77.562 ccw(c47.462,77.562) C12.2@47.135,77.235 ; P1.4@47,79 47,77.275 C12.2@47.1,77.175 ; C10.2@68.55,5.6 70,5.6 v1(71.475,5.6) v1(71.475,6.325) 71.475,6.975 C6.2@71.525,7.025 ; C10.2@68.55,22.1 70,22.1 v1(71.475,22.1) v1(71.475,22.825) 71.475,23.475 C6.2@71.525,23.525 ; C10.2@68.55,38.6 70,38.6 v1(71.475,38.6) v1(71.475,39.325) 71.475,39.975 C6.2@71.525,40.025 ; C10.2@68.55,55.1 70,55.1 v1(71.475,55.1) v1(71.475,55.825) 71.475,56.475 C6.2@71.525,56.525 ; C10.2@68.55,71.6 70,71.6 v1(71.475,71.6) v1(71.475,72.325) 71.475,72.975 C6.2@71.525,73.025 ; C12.2@69.015,1.765 cw(c68.688,1.438) 69.15,1.438 ; C12.2@69.015,18.265 cw(c68.688,17.938) 69.15,17.938 ; C12.2@69.015,34.765 cw(c68.688,34.438) 69.15,34.438 ; C12.2@69.015,51.265 cw(c68.688,50.938) 69.15,50.938 ; C12.2@69.015,67.765 cw(c68.688,67.438) 69.15,67.438 ; C12.2@69.05,1.825 69.15,1.725 P1.4@69.15,0 ; C12.2@69.05,18.325 69.15,18.225 P1.4@69.15,16.5 ; C12.2@69.05,34.825 69.15,34.725 P1.4@69.15,33 ; C12.2@69.05,51.325 69.15,51.225 P1.4@69.15,49.5 ; C12.2@69.05,67.825 69.15,67.725 P1.4@69.15,66 ; C7.1@69.984,7.396 cw(c69.719,7.206) v1(69.95,6.975) 70.025,7.05 C7.1@70.025,7.45 ; C7.1@69.984,23.896 cw(c69.719,23.706) v1(69.95,23.475) 70.025,23.55 C7.1@70.025,23.95 ; C7.1@69.984,40.396 cw(c69.719,40.206) v1(69.95,39.975) 70.025,40.05 C7.1@70.025,40.45 ; C7.1@69.984,56.896 cw(c69.719,56.706) v1(69.95,56.475) 70.025,56.55 C7.1@70.025,56.95 ; C7.1@69.984,73.396 cw(c69.719,73.206) v1(69.95,72.975) 70.025,73.05 C7.1@70.025,73.45